# Altium PCB PCB.PcbDoc (part 3 of 7) (continued)
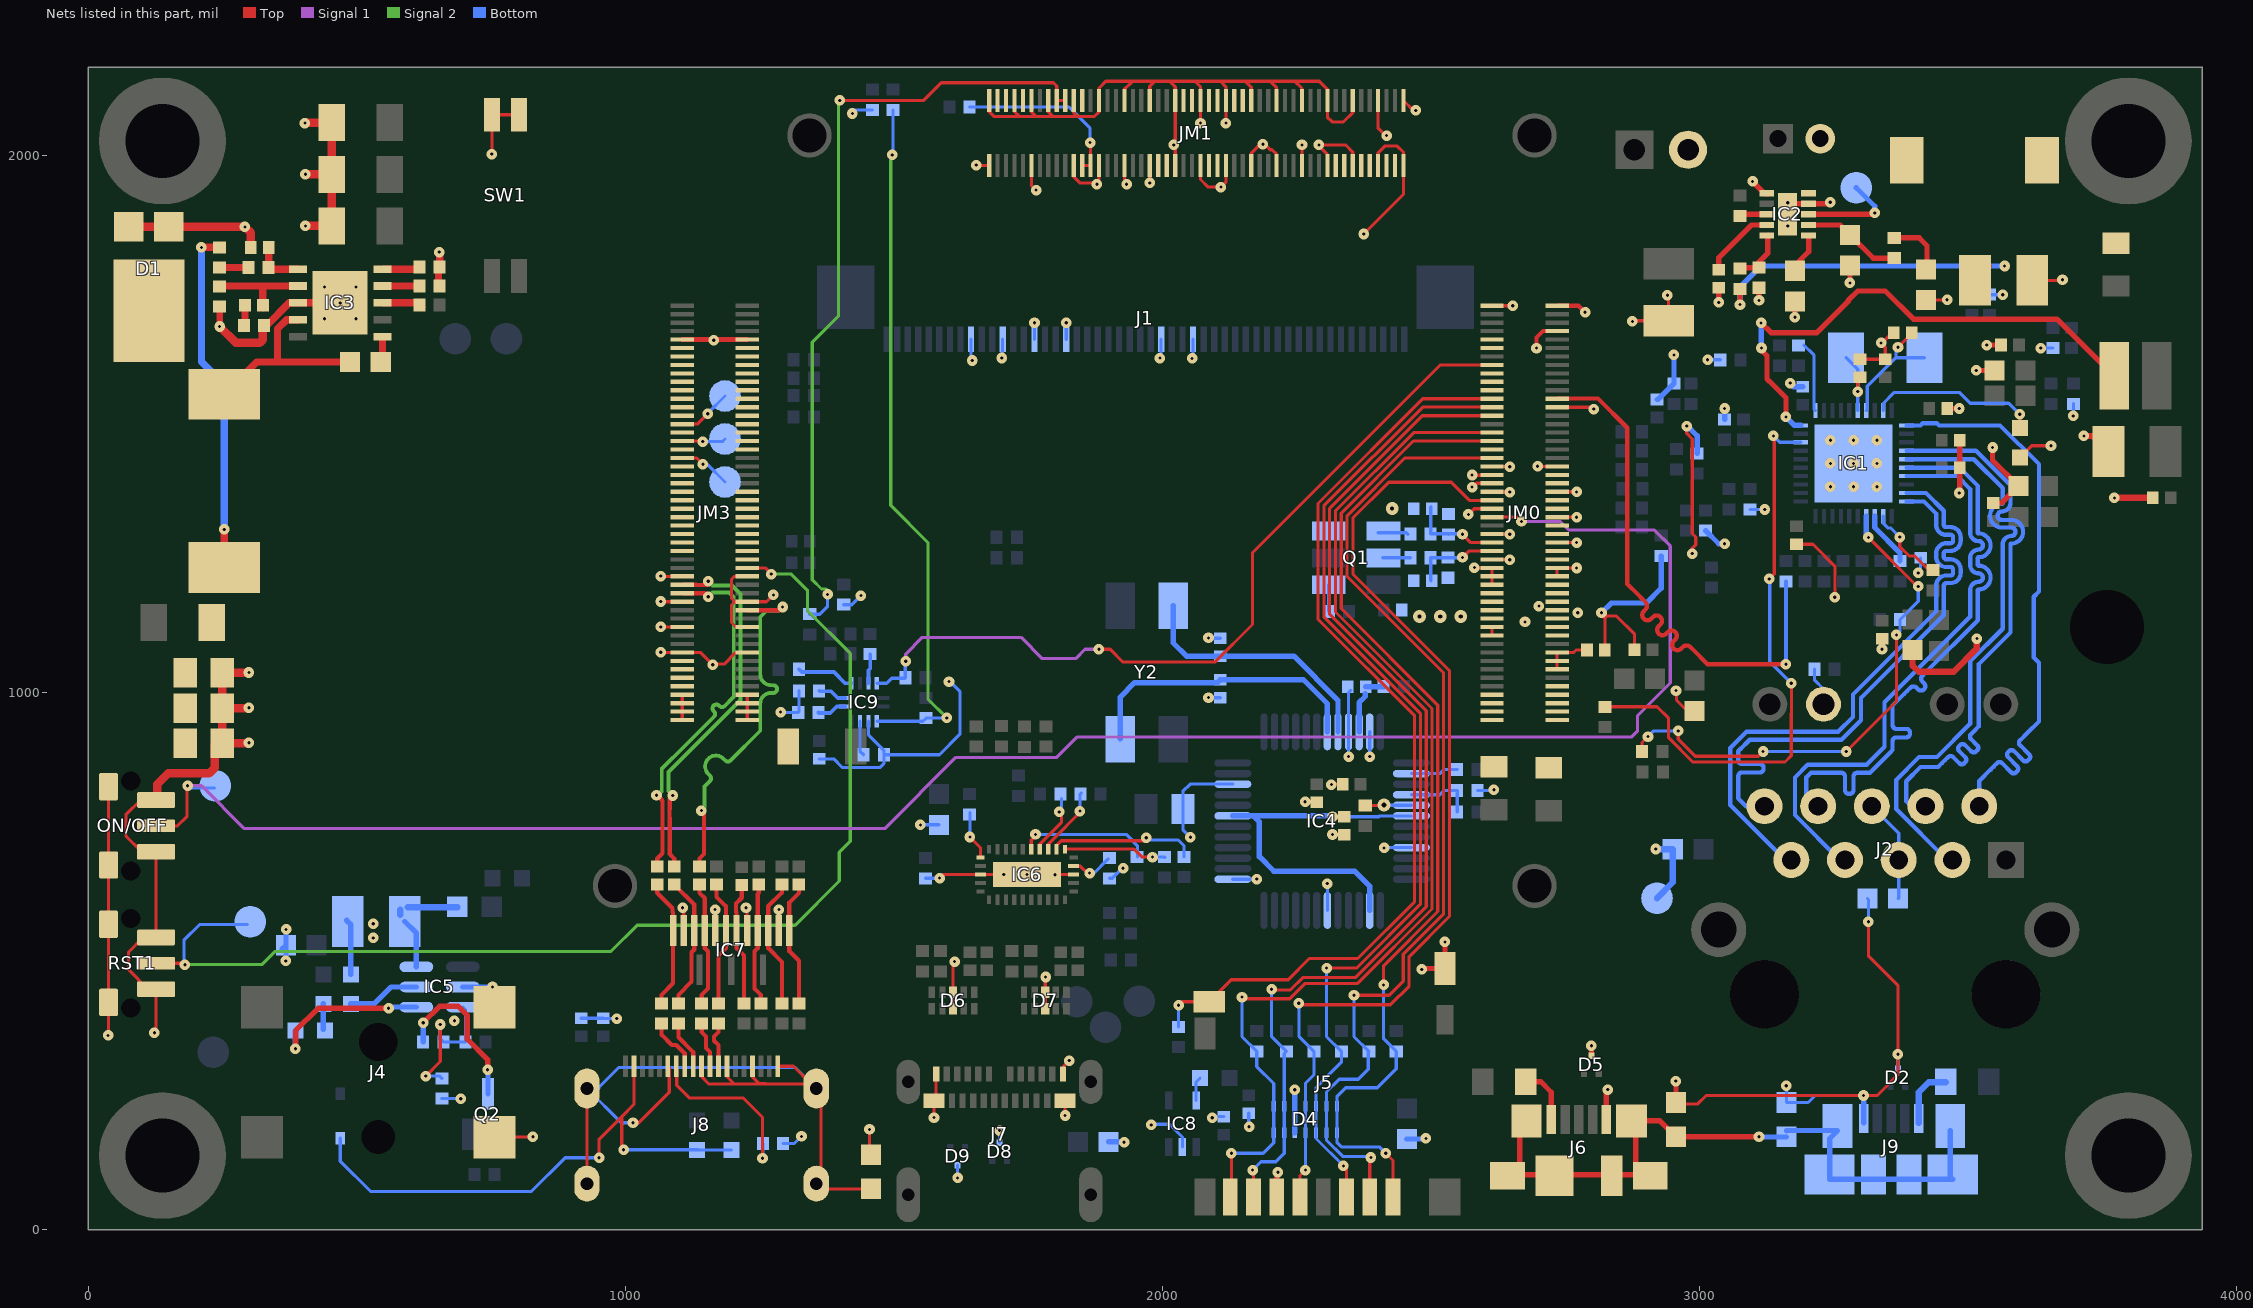
[diagram p7: the nets of this part, all layers, seen from the top]
## Nets (pads, with @x,y where several pads share a name; then routed paths per layer and width w, separated by ;. In a path a pad name is that pad's centre, name@x,y a point inside that pad or via, vN(x,y) a via of type N, cw(c..) or ccw(c..) an arc to the next point about the centre after c; other vN are vias at no path point) (continued)
  Bottom w11.81: v2(2919,709) 2919.48,708.52 C13.2@2950.66,708.52 2950.66,646.78 TP5.1@2921.33,617.45
  other v1: 122.77,366.8 681.58,388.98 298.88,906.79 298.88,972.14 298.88,1037.69 2675.51,1132 2773.88,1148.85 2701.49,1161.42 3244.16,1383.75 3287.47,1383.75 3330.77,1383.75 3244.16,1427.06 3287.47,1427.06 3330.77,1427.06 3244.16,1470.37 3287.47,1470.37 3330.77,1470.37 3338.65,1651.47 439.3,1696.5 498.36,1696.5 3565.26,1741.26 439.3,1755.55 498.36,1755.55 3164.79,1869.26 3164.79,1912.57 2260.16,2020.32 2118.51,2060.86
  other v2: 1697.06,184.39 530.26,543.26 530.26,569.57 2577,1405.5 1164.64,1656.58
  other v4: 2479,1142 2517.5,1142 2556,1142 2428,1343
GPIO6: JM3.49
GPIO7: JM3.45
GPIO8: JM3.47
GPIO12: JM3.51
HDMI_REFCLK_N: C83.2 JM0.60 R104.2 R106.2 | length 163.2
  Top w5.91: v2(2559.06,1251.97) 2570.87,1263.78 JM0.60@2602.36,1263.78 ; JM0.60@2602.36,1264.02 JM0.60@2614.1,1264.02
  Bottom w5.91: C83.2@2500.62,1208.66 2499.83,1209.45 R104.2@2499.83,1251.31 R106.2@2531.41,1251.31 ; R106.2@2532,1251.9 R106.2@2531.41,1251.31 ; v2(2559.06,1251.97) 2558.4,1251.31 R106.2@2531.41,1251.31
HDMI_REFCLK_P: C82.2 JM0.58 R103.2 R105.2 | length 173.1
  Top w5.91: v2(2559.06,1295.28) 2574.8,1279.53 JM0.58@2610.24,1279.53 ; JM0.58@2610.24,1279.76 JM0.58@2614.1,1279.76
  Bottom w5.91: C82.2@2500.62,1346.46 2499.83,1345.67 R103.2@2499.83,1295.93 R105.2@2532.17,1295.93 ; R105.2@2533,1295.1 R105.2@2532.17,1295.93 ; v2(2559.06,1295.28) 2558.4,1295.93 R105.2@2532.17,1295.93
JTAG_NTRST: JM3.55
JTAG_TCK: JM3.53
JTAG_TDI: JM3.61
JTAG_TDO: JM3.57
JTAG_TMS: JM3.59
M_TMDS_CLK_C_N: C64.2 IC7.12 R95.1 | length 242.5
  Top w7.87: C64.2@1059.33,642.8 1059.33,627.26 1087.87,598.72 1087.87,591.75 1088.86,590.77 IC7.12@1088.86,557.17 1088.86,458.91 1067.2,437.26 R95.1@1067.2,421.54
M_TMDS_CLK_C_P: C62.2 IC7.10 R94.1 | length 249
  Top w7.87: C62.2@1090.82,642.8 1128.23,605.4 IC7.10@1128.23,557.17 1128.23,521.47 1123.31,516.55 1123.31,461.87 1098.7,437.26 R94.1@1098.7,421.54
M_TMDS_D0_C_N: C63.2 IC7.9 R93.1 | length 232.7
  Top w7.87: C63.2@1138.07,642.8 1138.07,627.26 1147.91,617.42 IC7.9@1147.91,557.17 1147.91,524.26 1153.82,518.36 1153.82,449.07 1142.01,437.26 R93.1@1142.01,421.54
M_TMDS_D0_C_P: C60.2 IC7.7 R92.1 | length 234.3
  Top w7.87: C60.2@1169.56,642.8 1169.56,619.88 1187.28,602.17 IC7.7@1187.28,557.17 1187.28,524.26 1173.5,510.48 R92.1@1173.5,421.54
M_TMDS_D1_C_N: C61.2 IC7.6 R91.1 | length 231.6
  Top w7.87: C61.2@1216.81,641.82 1216.81,618.07 1205.98,607.24 1205.98,591.75 1206.97,590.77 IC7.6@1206.97,557.17 1206.97,524.26 1220.75,510.48 R91.1@1220.75,421.54
  Top w9.84: C61.2@1216.32,642.31 C61.2@1216.81,642.8
M_TMDS_D1_C_P: C59.2 IC7.4 R90.1 | length 230
  Top w7.87: 1240.43,448.46 1240.43,449.07 ; C59.2@1248.31,642.8 1248.31,627.26 1246.34,625.29 IC7.4@1246.34,557.17 1246.34,524.26 1240.43,518.36 1240.43,449.07 ; R90.1@1252.24,421.54 1252.24,437.26 1240.43,449.07
M_TMDS_D2_C_N: C58.2 IC7.3 R89.1 | length 242.9
  Top w7.87: R89.1@1291.61,421.54 1291.61,498.67 1266.02,524.26 IC7.3@1266.02,557.17 1266.02,602.47 1289.66,626.11 1290.46,626.11 1291.61,627.26 C58.2@1291.61,642.8
M_TMDS_D2_C_P: C57.2 IC7.1 R88.1 | length 235.9
  Top w7.87: R88.1@1323.11,421.54 1323.11,500.88 1305.39,518.59 IC7.1@1305.39,557.17 1305.39,609.54 1323.11,627.26 C57.2@1323.11,642.8
MIPI_DSI1_CLK_N: JM1.57
MIPI_DSI1_CLK_P: JM1.59
MIPI_DSI1_D0_N: JM1.45
MIPI_DSI1_D0_P: JM1.47
MIPI_DSI1_D1_N: JM1.52
MIPI_DSI1_D1_P: JM1.54
MIPI_DSI1_D2_N: JM1.40
MIPI_DSI1_D2_P: JM1.42
MIPI_DSI1_D3_N: JM1.46
MIPI_DSI1_D3_P: JM1.48
NAND_ALE: IC9.6 JM0.16 R126.1 | length 1547.8
  Top w5.91: v2(1882,1081) 1902.69,1081 1926.69,1057 2098,1057 2168,1127 2168,1261 2517.47,1610.47 JM0.16@2614.1,1610.47
  Signal 1 w5.91: v2(1522.02,1058.75) 1522.02,1072.02 1553,1103 1737,1103 1776.5,1063.5 1838.5,1063.5 1856,1081 v2(1882,1081)
  Bottom w5.91: IC9.6@1468.31,1017.71 1486.48,1017.71 1495.78,1027.01 1520.34,1027.01 R126.1@1521.3,1027.97 1521.3,1058.02 v2(1522.02,1058.75)
NAND_CLE: JM0.10
NAND_DATA02: JM0.12
NAND_DATA03: JM0.22
NAND_DATA06: JM0.20
NAND_DATA07: JM0.18
NetC8_2: C8.2 IC1.36 Y1.2 | length 135.6
  Top w5.91: v1(3295.34,1560.92) 3295.34,1583.56 C8.2@3299.28,1587.49
  Bottom w5.91: Y1.2@3273.69,1623.91 3295.34,1602.26 v1(3295.34,1560.92) IC1.36@3295.34,1525.49
NetC9_2: C9.2 IC1.37 Y1.1 | length 227.1
  Top w5.91: v1(3370.15,1643.59) 3388.85,1662.3 C9.2@3393.77,1662.3
  Bottom w5.91: IC1.37@3311.09,1525.49 3313.06,1527.45 3313.06,1570.76 3366.21,1623.91 ; v1(3370.15,1643.59) 3366.21,1639.65 3366.21,1623.91 ; Y1.1@3419.36,1623.91 3366.21,1623.91
NetC12_2: C12.2 J2.5 J2.6 | length 193.1
  Bottom w5.91: J2.6@3321.46,788.58 3371.46,738.58 J2.5@3371.46,688.58 3371.46,617.45 C12.2@3370.55,616.54
NetC25_2: C25.2 L6.2 R49.1 R52.2 | length 608.8
  Top w9.84: v1(3075.86,1722.91) R52.2@3075.86,1753.23 ; C25.2@3513.76,1768.04 C25.2@3540.48,1794.77 ; L6.2@3639.27,1974.36 L6.2@3644.9,1968.74
  Bottom w9.84: v1@3075.86,1731.77 3075.86,1755.4 3115.23,1794.77 v1(3568.65,1794.77)
NetC26_1: C26.1 IC3.1 | length 52
  Top w13.78: C26.1@544.8,1612.19 547.57,1614.96 IC3.1@547.57,1663.03
NetC26_2: C26.2 D1.C IC3.9 L7.1 | length 314.9
  Top w13.78: L7.1@288.96,1591.84 313.1,1615.97 352.08,1615.97 ; IC3.9@390.09,1694.53 368.99,1694.53 352.08,1677.61 352.08,1615.97 ; C26.2@487.25,1615.97 352.08,1615.97
NetC27_2: C27.2 IC3.4 | length 68.8
  Top w13.78: IC3.4@547.57,1757.52 C27.2@616.39,1757.52
NetC28_2: C28.2 IC2.4 | length 127
  Top w9.84: C28.2@3036.49,1797.72 3036.49,1810.51 3097.19,1871.22 IC2.4@3125.58,1871.22
NetC29_2: C29.2 IC2.6 | length 66.4
  Top w9.84: C29.2@3178.22,1795.75 3203.83,1821.36 IC2.6@3203.76,1851.54
NetC33_2: C33.2 IC2.7 R58.2 | length 183.4
  Top w9.84: IC2.7@3205.39,1871.03 3262.39,1871.03 C33.2@3280.58,1852.84 3324.09,1809.33 R58.2@3363.26,1809.33
NetC34_2: C34.2 R113.1 | length 41.7
  Top w13.78: C34.2@291.59,1679.88 R113.1@291.59,1721.62
NetC35_2: C35.2 R58.1 | length 112.2
  Top w9.84: R58.1@3363.26,1847.13 3409.71,1847.13 3424.34,1832.5 3424.34,1790.34 C35.2@3422.31,1788.31
NetC36_2: C36.2 IC3.7 R113.2 | length 188.9
  Top w13.78: C36.2@244.22,1754.62 247.12,1757.52 326.77,1757.52 ; R113.2@324.29,1716.69 324.29,1755.05 326.77,1757.52 ; IC3.7@390.09,1757.52 326.77,1757.52
NetC38_1: C38.1 IC4.46 R68.2 | length 109
  Bottom w10: IC4.46@2366.51,927.2 2366.51,981.51 2378,993 2378,998 ; C38.1@2378.73,1011 2411.86,1011 R68.2@2412.1,1011.25
NetC39_1: C39.1 IC4.6 IC4.14 IC4.31 | length 713.5
  Top w5.91: v2@2312,769 v2(2317,769) 2338.73,769 C39.1@2339,768.73
  Bottom w5.91: v2(2317,769) 2403.16,769 2404.85,770.69 IC4.6@2463.95,770.7
  Bottom w10: IC4.31@2131.27,770.7 2169.57,770.7 ; v2(2317,769) 2315.3,770.7 2169.57,770.7 ; 2358.31,667.71 2207.54,667.71 2180.66,694.59 2180.66,759.61 2169.57,770.7 ; 2359.68,666.33 2386.19,639.82 IC4.14@2386.19,594.52
NetC40_1: C40.1 IC5.6 L10.1 | length 196.2
  Bottom w9.84: C40.1@589.06,574.02 610.71,552.37 IC5.6@610.71,489.38
  Bottom w11.81: C40.1@580.5,586.53 C40.1@580.5,596.09 ; C40.1@594.37,600.69 594.46,600.6 L10.1@687.33,600.6
NetC75_2: C75.2 C76.2 C77.2 L7.2 R56.1 R59.2 | length 647.9
  Top w13.78: v1(210.44,1829.52) 244.16,1829.52 R59.2@244.23,1829.45 ; v1(252.79,1304.24) 253.01,1304.02 L7.2@253.01,1233.03
  Bottom w13.78: v1(210.44,1829.52) 210.44,1616.45 252.79,1574.09 v1(252.79,1304.24)
NetC78_2: C78.2 IC4.43 Y2.1 | length 548.2
  Bottom w10: Y2.1@1921.83,913.76 1921.83,992.09 1948.52,1018.77 2102.87,1018.77 C78.2@2108.09,1024 2108.48,1024.38 2262.51,1024.38 2307.45,979.44 IC4.43@2307.45,927.2
NetC79_2: C79.2 IC4.44 Y2.3 | length 478.7
  Bottom w10: Y2.3@2020.26,1161.79 2020.26,1093.05 2045.25,1068.06 C79.2@2108.09,1068.06 2244.94,1068.06 2327.14,985.86 IC4.44@2327.14,927.2
NetD10_C: D10.C J8.18 R118.2 R119.2 | length 1034.6
  Top w5.91: v2(951,134) 951,168.34 993.29,210.63 ; v2@993.29,148.88 993.29,210.63 ; J8.18@1016.02,304.22 1016.02,233.36 993.29,210.63
  Bottom w5.91: D10.C@468.98,170.28 468.98,127.53 525.5,71 825,71 888,134 v2(951,134) ; v2(996.64,148.88) 996.85,148.68 R118.2@1136.34,148.68 ; R118.2@1136.34,148.53 R119.2@1197.93,148.53
NetF1_2: F1.2 JM3.93 JM3.94 JM3.95 JM3.96 JM3.97 JM3.98 JM3.99 JM3.100 | length 94.5
  Top w5.91: JM3.100@1105.83,949.06 JM3.98@1105.83,964.8 JM3.96@1105.83,980.55 JM3.94@1105.83,996.3 ; JM3.99@1227.09,949.06 JM3.97@1227.09,964.8 JM3.95@1227.09,980.55 JM3.93@1227.09,996.3
NetIC1_12: IC1.12 R44.2 | length 152.1
  Top w5.91: v1(3373.51,1289.73) 3373.51,1272.1 3390.99,1254.62 3401.59,1254.62 3427.9,1228.31 R44.2@3435.11,1228.31
  Bottom w5.91: IC1.12@3342.59,1328.63 3342.59,1315.53 3351.13,1306.98 3356.26,1306.98 v1(3373.51,1289.73)
NetIC1_13: IC1.13 R39.1 | length 103
  Bottom w9.84: IC1.13@3326.84,1328.63 3326.84,1307.62 3374.08,1260.37 R39.1@3374.08,1245.17
NetIC1_14: IC1.14 R41.1 R45.1 | length 973.3
  Top w5.91: R45.1@2893.39,890.57 2893.39,907.2 v1(2904.59,918.4) ; v1(2960.99,928.98) 2960.99,913.13 2992.38,881.73 3110.06,881.73 v1(3118.9,890.57) ; v1(3273.76,890.57) 3367.36,984.17 3367.36,1107.67 v1(3367.26,1107.77) ; v1(3315.03,1289.26) 3406.37,1197.92 v1(3407.93,1197.92)
  Bottom w5.91: v1(2904.59,918.4) 2915.17,928.98 v1(2960.99,928.98) ; v1(3118.9,890.57) v1(3273.76,890.57) ; v1(3367.26,1107.77) 3374,1114.51 R41.1@3374,1136.15 3407.93,1170.08 v1(3407.93,1197.92)
  Bottom w9.84: IC1.14@3311.09,1328.63 3311.09,1293.2 v1(3315.03,1289.26)
NetIC1_28: IC1.28 R26.2 | length 1089
  Top w5.91: R26.2@2824.16,973.79 2921.41,973.79 2942.98,952.22 2942.98,915.82 2987.9,870.91 3159.82,870.91 3171.46,882.54 3171.46,961.32 3171.81,961.67 3171.81,1017.16 v1(3171.46,1017.52) ; v1(3130.51,1212.03) 3139.83,1221.35 3139.83,1476.56 v1(3138.14,1478.25)
  Bottom w5.91: v1@3131.46,1212.03 3131.46,1057.52 v1(3171.46,1017.52) ; v1(3138.14,1478.25) 3149.96,1466.43 IC1.28@3189.04,1466.43
NetIC1_30: IC1.30 L1.1 | length 996.3
  Top w9.84: v1(3115.23,1688.86) 3133.45,1670.64 3219.03,1670.64 3277.33,1728.95 3277.33,1730.33 3295.29,1748.29 3346.41,1748.29 3398.94,1695.75 3666.4,1695.75 3771.57,1590.59 L1.1@3773.11,1590.59 ; v1(3116,1642) 3116,1641.42 3114.24,1639.66 3126.33,1627.57 3126.33,1584.54 3138.14,1572.73 3161.48,1549.39 v1(3161.48,1513.67)
  Bottom w9.84: v1(3115.23,1688.86) 3115.23,1640.65 3116,1641.42 v1(3116,1642) ; v1(3161.48,1513.67) 3177.23,1497.93 IC1.30@3189.04,1497.93
NetIC1_31: IC1.31 R43.1 | length 131.2
  Bottom w5.91: R43.1@3194.96,1647.67 3213.51,1629.12 3213.51,1528.57 IC1.31@3216.6,1525.49
NetIC1_39: IC1.39 R37.1 | length 318.7
  Top w5.91: v1(3597.01,1518.52) 3597.17,1518.37 R37.1@3597.17,1493.05
  Bottom w5.91: IC1.39@3342.59,1525.49 3342.59,1538.59 3363.45,1559.46 3484.35,1559.46 3504.54,1539.27 3576.27,1539.27 v1(3597.01,1518.52)
NetIC2_3: IC2.3 R51.1 | length 52.8
  Top w9.84: R51.1@3075.86,1888.07 3078.7,1890.91 IC2.3@3125.81,1890.91 ; IC2.3@3125.81,1890.54 IC2.3@3127.44,1890.54
NetIC2_5: IC2.5 R52.1 R55.2 | length 96.4
  Top w9.84: R52.1@3075.86,1791.76 3101.24,1791.76 3127.44,1817.96 IC2.5@3127.44,1851.9
NetIC2_8: IC2.8 TP3.1 | length 183.5
  Top w9.84: IC2.8@3205.39,1890.91 3323.98,1890.91 v2(3326.77,1893.7)
  Bottom w9.84: TP3.1@3292.4,1940.43 3326.77,1906.06 v2(3326.77,1893.7)
NetIC2_10: IC2.10 L6.1 | length 30
  Top w9.84: L6.1@3366.11,1995.55 L6.1@3387.3,1974.36
NetIC3_5: IC3.5 R57.1 | length 71.2
  Top w13.78: IC3.5@547.57,1789.02 610.64,1789.02 R57.1@616.39,1794.77
NetIC3_6: IC3.6 R102.1 R114.2 | length 87.4
  Top w13.78: R102.1@335.48,1791.97 335.48,1826.04 R114.2@335.75,1826.32 ; R102.1@338.25,1791.74 340.97,1789.02 IC3.6@390.09,1789.02
NetIC4_2: IC4.2 R101.2 | length 88.2
  Bottom w5.91: IC4.2@2463.95,849.44 2517.05,849.44 2524.32,856.72 R101.2@2549.16,856.72
NetIC4_5: IC4.5 R100.2 | length 80.4
  Top w5.91: R100.2@2378,789.9 2412.1,789.9 2413,789 v3(2413,791)
  Bottom w5.91: v3@2420.87,790.38 IC4.5@2463.95,790.38
NetIC5_3: IC5.3 R71.1 R72.2 R116.2 | length 282
  Top w5.91: v1(628.09,285.88) 655.29,313.08 v1(655.29,382.15)
  Bottom w5.91: v1(628.09,285.88) 654.1,285.88 R116.2@658.09,281.89 ; v1(655.29,382.15) 655.29,355.43 R72.2@661.1,349.61 R71.1@702.05,349.61 702.05,409.85 IC5.3@697.32,414.58
NetIC5_4: IC5.4 LED1.K | length 310.7
  Top w9.84: v1(385.35,336.98) 385.82,337.45 385.82,370.59 427.45,412.22 v1(559.01,412.22)
  Bottom w9.84: v1(385.35,336.98) 385.35,370.12 LED1.K@385.82,370.59 ; v1(559.01,412.22) 561.37,414.58 IC5.4@610.71,414.58
NetIC5_5: IC5.5 R73.2 | length 135.1
  Bottom w9.84: R73.2@488.66,420.54 532.03,420.54 563.47,451.98 IC5.5@610.71,451.98
NetIC6_1: IC6.1 R77.2 | length 191.7
  Top w5.91: IC6.1@1818.9,708.66 1947.52,708.66 1962.43,693.75 v1(1981.68,693.75)
  Bottom w5.91: v1(1981.68,693.75) 2004.35,693.75 R77.2@2004.42,693.68
NetIC6_2: IC6.2 R76.2 | length 273.2
  Top w5.91: IC6.2@1803.15,708.66 1803.15,715.86 1811.7,724.41 v1@1969.96,724.41
  Bottom w5.91: v1@1969.68,725.65 2029.49,725.65 2040.55,714.6 R76.2@2040.55,694.36
  other v1: 1970,730
NetIC6_3: IC6.3 R81.2 | length 129.9
  Top w5.91: IC6.3@1787.4,708.66 1787.4,717.83 1795.95,726.38 1796.02,726.38 1846.54,776.9 v1(1846.54,779.53)
  Bottom w5.91: v1(1846.54,779.53) 1846.54,810.37 R81.2@1849.14,812.97
NetIC6_4: IC6.4 R82.2 | length 118.8
  Top w5.91: IC6.4@1771.65,708.66 1771.65,717.83 1791.03,737.2 1811.97,758.14 1811.97,778.1 1811.87,778 v1(1808,778)
  Bottom w5.91: v1(1808,778) 1811.87,778 1811.97,778.1 R82.2@1811.97,802.71
NetIC6_5: IC6.5 R75.1 | length 251.3
  Top w5.91: IC6.5@1755.91,708.66 1755.91,725.5 1764.63,734.23 1764.63,735.37 v1(1763.78,736.22)
  Bottom w5.91: v1(1763.78,736.22) 1932.49,736.22 1953.59,715.12 R75.1@1953.59,693.85
NetIC6_11: IC6.11 R78.1 | length 91.9
  Top w5.91: v1(1641.68,731.3) 1661.42,711.56 IC6.11@1661.42,692.91
  Bottom w5.91: v1(1641.68,731.3) R78.1@1641.68,776.67
NetIC6_29: IC6.29 R84.2 | length 75.5
  Top w5.91: IC6.29@1834.65,677.17 1847.22,677.17 v1@1860.03,664.35
  Bottom w5.91: v1@1866.02,662.47 1871.08,662.47 R84.2@1899.18,690.58
  other v1: 1864.49,664.12
NetIC8_5: IC8.5 R99.1 | length 44.6
  Bottom w5.91: IC8.5@2063,240.6 2063,275.02 R99.1@2070.19,282.21
NetIC9_1: IC9.1 R125.2 | length 54.9
  Bottom w7.09: R125.2@1359.78,963.22 1360.73,962.27 1381.57,962.27 1393.71,974.41 IC9.1@1409.25,974.41
NetIC9_2: IC9.2 R124.2 | length 53.8
  Bottom w7.09: R124.2@1360.97,1003.58 1361.87,1002.68 1382.84,1002.68 1395.36,990.16 IC9.2@1409.25,990.16
NetIC9_3: IC9.3 R122.1 | length 108.7
  Bottom w7.09: R122.1@1323.21,1043.79 1328.62,1038.38 1388.58,1038.38 1409.25,1017.71 IC9.3@1421.06,1017.71
NetIC9_5: IC9.5 R121.1 | length 55.7
  Bottom w7.09: IC9.5@1452.56,1017.71 1452.56,1041.42 1456.16,1045.02 1456.16,1071.53 R121.1@1455.92,1071.78
NetIC9_11: IC9.11 R127.2 | length 65.2
  Bottom w5.91: IC9.11@1436.81,946.85 1436.81,891.22 R127.2@1443.57,884.46
NetJ2_13: J2.13 R31.1 | length 72.1
  Bottom w5.91: R31.1@3214.38,1043.76 3214.38,1024.11 3231.46,1007.04 J2.13@3231.46,978.74
NetJ6_1: J6.1 L8.1 | length 104.1
  Top w9.84: L8.1@2677.17,275.59 2704.72,275.59 2724.41,255.91 J6.1@2724.41,207.2
NetJ8_13: J8.13 R120.2 | length 324.5
  Top w5.91: J8.13@1094.76,304.22 1095.54,303.44 1095.54,268.62 1118.72,245.44 1219.12,245.44 1255.4,209.16 v1(1255.4,133.05)
  Bottom w5.91: v1(1255.4,133.05) 1256.07,133.73 R120.2@1256.07,160.73
NetJ9_1: J9.1 L11.1 | length 115.3
  Bottom w11.81: J9.1@3408.71,198.64 3408.71,256.09 3427.2,274.58 L11.1@3458.95,274.58
NetJM0_91: JM0.91 JM0.93 JM0.95 JM0.97 JM0.99 R67.1
NetJM0_94: JM0.94 JM0.96 JM0.98 JM0.100 R48.1
NetJM1_75: JM1.75 JM1.77 R47.2 | length 326.6
  Top w5.91: JM1.77@1850.71,1981.73 JM1.75@1866.46,1981.73 1866.46,2023.7 v1(1865.54,2024.62)
  Bottom w5.91: R47.2@1641.06,2091.14 1825.55,2091.14 1865.54,2051.15 v1(1865.54,2024.62)
NetJM1_82: JM1.82 JM1.84 R97.1 | length 1493.2
  Top w5.91: v2(1399.38,2103.26) 1555.65,2103.26 1588.53,2136.14 1797.4,2136.14 1803.47,2130.08 JM1.84@1803.47,2102.99 JM1.82@1819.21,2102.99
  Signal 2 w5.91: v2(1376.73,1183.03) 1375.34,1184.42 1382.64,1184.42 1373.85,1193.21 1365.21,1193.21 1347.99,1210.42 1347.99,1653 1397.19,1702.2 1397.19,2101.08 v2(1399.38,2103.26)
  Bottom w5.91: R97.1@1343.45,1146.27 1361.86,1146.27 1376.73,1161.13 v2(1376.73,1183.03)
NetLED1_A: LED1.A R70.1 | length 47.3
  Bottom w9.84: R70.1@437.48,420.54 437.54,420.48 LED1.A@437.54,373.24
NetQ1_1: Q1.1 R131.1 | length 50.1
  Bottom w5.91: Q1.1@2309.82,1201 2310.1,1200.72 R131.1@2310.1,1151
NetQ1_4: Q1.4 R103.1 | length 56.3
  Bottom w5.91: Q1.4@2402.2,1298.03 2454.56,1298.03 R103.1@2457.32,1295.28
NetQ1_5: Q1.5 R104.1 | length 52.2
  Bottom w5.91: Q1.5@2410.07,1251.97 2410.73,1251.31 R104.1@2462.04,1251.31
NetQ2_3: Q2.3 R72.1 | length 300.2
  Top w10: v1(623.44,385.37) 654.48,416.41 687.95,416.41 705.75,398.61 705.75,354.59 743.32,317.02 v1(743.32,297.69)
  Bottom w10: R72.1@623.31,349.61 623.31,385.24 v1(623.44,385.37) ; v1(743.32,297.69) 744.09,296.93 Q2.3@744.09,252.68
NetR59_1: R59.1 R102.2 | length 53.5
  Top w13.78: R59.1@244.79,1790.38 246.39,1791.97 R102.2@297.68,1791.97
NVCC_ENET_2V5: C23.1 JM0.83 JM0.85 JM0.87 | length 89.2
  Top w5.91: JM0.87@2735.36,1043.54 JM0.85@2735.36,1059.29 JM0.83@2735.36,1075.04 2735.74,1074.66 2765.49,1074.66 2770.39,1079.56 C23.1@2790.89,1079.56
ONOFF: JM0.52 ON/OFF.2 TP2.1 | length 3698.2
  Top w5.91: ON/OFF.2@125.98,751.97 165.74,751.97 183.78,770.01 183.78,823.87 v1@184.72,824.8 ; JM0.52@2614.1,1327.01 2660.99,1327.01 v2(2669,1319)
  Signal 1 w5.91: v1(184.72,826.77) 210.67,826.77 290.44,747 1483,747 1615.62,879.62 1803.29,879.62 1840.99,917.32 2873.29,917.32 2885.23,929.26 2885.23,957.53 2945.86,1018.16 2945.86,1273.52 2916.38,1303 2757,1303 2741,1319 v2(2669,1319)
  Bottom w5.91: v1@189.2,822.29 TP2.1@234.65,822.29
OTG_ID: IC9.9 R123.1 R130.2 | length 1314
  Signal 2 w5.91: v2(1497.07,2001.63) 1494.12,1998.68 1494.12,1349.14 1563.62,1279.64 1563.62,987.99 v2(1598.55,953.06) ; v2@1598.55,952.97 1601.76,952.97 v2@1602.11,953.32
  Bottom w5.91: IC9.9@1468.31,946.85 1554.32,946.85 R123.1@1560.12,952.65 1598.13,952.65 v2(1598.55,953.06) ; v2(1497.07,2001.63) 1498.36,2002.92 R130.2@1498.36,2085.49
PCIE1_NRST: JM0.59
PCIE1_NWAKE: JM0.61
PCIE1_REF_CLK_N: JM0.55
PCIE1_REF_CLK_P: JM0.53
PCIE1_RX_N: JM0.49
PCIE1_RX_P: JM0.47
PCIE1_TX_N: JM0.41
PCIE1_TX_P: JM0.43
"PCIE2_NCLKREQ (I2C4_SDA)": JM1.78
PCIE2_REF_CLK_N: JM1.3
PCIE2_REF_CLK_P: JM1.5
PCIE2_RX_N: JM1.11
PCIE2_RX_P: JM1.9
PCIE2_TX_N: JM1.17
PCIE2_TX_P: JM1.15
PEN: IC3.3 R54.1 | length 76.8
  Top w13.78: IC3.3@547.57,1726.02 613.33,1726.02 R54.1@621.15,1718.21
POWER_ON_RESET: JM0.79
PWM1: JM3.88
PWM2: JM3.90
PWM3: JM3.92
PWM4: JM3.11
PWON_B: JM3.86
SAI1_MCLK: JM3.26
SAI1_RXC: JM3.17
SAI1_RXD0: JM3.33
SAI1_RXD1: JM3.35
SAI1_RXD2: JM3.27
SAI1_RXD3: JM3.31
SAI1_RXD4: JM3.29
SAI1_RXD5: JM3.21
SAI1_RXD6: JM3.25
SAI1_RXD7: JM3.23
SAI1_RXFS: JM3.19
SAI1_TXC: JM3.40
SAI1_TXD0: JM3.44
SAI1_TXD1: JM3.42
SAI1_TXD2: JM3.30 TP9.1 | length 101.9
  Top w5.91: JM3.30@1105.83,1500.24 1133.71,1500.24 1153.03,1519.56 v2(1153.31,1519.56)
  Bottom w5.91: v2(1153.31,1519.56) 1153.31,1520.4 TP9.1@1185.5,1552.59
SAI1_TXD3: JM3.36
SAI1_TXD4: JM3.38 TP10.1 | length 98.2
  Top w5.91: JM3.38@1105.83,1437.24 1132.62,1437.24 v2(1144.36,1425.51)
  Bottom w5.91: v2(1144.36,1425.51) 1152.47,1425.51 TP10.1@1185.5,1392.48
SAI1_TXD5: JM3.34 TP11.1 | length 80.7
  Top w5.91: JM3.34@1107.32,1468.35 1107.71,1468.75 1143.11,1468.75 v2(1144.08,1467.78)
  Bottom w5.91: v2(1144.08,1467.78) 1180.74,1467.78 TP11.1@1185.5,1472.54
SAI1_TXD6: JM3.28
SAI1_TXD7: JM3.32
SAI1_TXFS: JM3.46
SAI2_MCLK: JM3.12
SAI2_RXC: JM3.22
SAI2_RXD: JM3.20
SAI2_RXFS: JM3.24
SAI2_TXC: JM3.18
SAI2_TXD: JM3.14
SAI2_TXFS: JM3.16
SAI3_RXC: JM3.13
SAI3_RXFS: JM3.15
SAI5_MCLK: JM3.50
SAI5_RXC: JM3.56
SAI5_RXD0: JM3.58
SAI5_RXD1: JM3.48
SAI5_RXD2: JM3.54
SAI5_RXD3: JM3.52
SAI5_RXFS: JM3.60
SD2_NRST: JM0.36
SDIO_CD#: J5.9 JM0.24 R60.1 | length 1780.5
  Top w5.91: v1(2030.28,417.89) 2036.77,424.39 J5.9@2087.17,424.39 2128.37,465.59 2234.62,465.59 2273.95,504.92 2363.76,504.92 2469.81,610.97 2469.81,957.13 2290,1136.93 2290,1352.38 2485.1,1547.48 JM0.24@2614.1,1547.48
  Bottom w5.91: R60.1@2030.28,377.73 v1(2030.28,417.89)
SDIO_CLK: D4.11 J5.5 JM0.48 R63.1 | length 1882.5
  Top w5.91: v1(2254.05,421.54) 2256.82,418.78 2424.8,418.78 2459.65,453.62 2459.65,508.55 2534.77,583.67 2534.77,1041.23 2354.96,1221.04 2354.96,1325.47 2421.49,1392 2538,1392 2571.84,1358.16 2613.75,1358.16 JM0.48@2614.1,1358.5 ; J5.5@2256.46,60.65 2256.46,100.76 v1(2266.5,110.8)
  Bottom w5.91: v1@2254.69,421.54 2254.69,359.62 R63.1@2282.24,332.06 2282.24,287.97 2266.5,272.22 D4.11@2266.5,229.9 D4.11@2266.5,180.69 v1(2266.5,110.8)
SDIO_CMD: D4.12 J5.3 JM0.26 R64.1 | length 1910.9
  Top w5.91: v1(2305.87,487.2) 2361.75,487.2 2480.63,606.09 2480.63,961.61 2300.83,1141.42 2300.83,1347.89 2484.93,1532 JM0.26@2613,1532 ; v1(2337.36,118.68) 2343.07,112.97 J5.3@2343.07,60.65 ; JM0.26@2613,1531.73 JM0.26@2614.1,1531.73
  Bottom w5.91: v1(2305.87,487.2) 2305.87,359.62 R64.1@2333.43,332.06 2333.43,311.59 2286.18,264.35 D4.12@2286.18,229.9 D4.12@2286.18,180.69 2286.18,169.86 v1(2337.36,118.68)
SDIO_D0: D4.9 J5.7 JM0.28 R62.1 | length 1984.5
  Top w5.91: v1(2168.07,110.8) 2169.84,109.03 J5.7@2169.84,60.65 ; v1(2203.5,447.87) 2204.74,446.63 2238.78,446.63 2261.63,469.49 2359.34,469.49 2491.46,601.61 2491.46,966.1 2311.65,1145.9 2311.65,1343.41 2484.23,1515.98 JM0.28@2614.1,1515.98
  Bottom w5.91: v1(2168.07,110.8) 2183.82,126.55 2211.38,126.55 2227.13,142.3 D4.9@2227.13,180.69 D4.9@2227.13,229.9 2227.13,328.13 R62.1@2231.06,332.06 2203.5,359.62 v1(2203.5,447.87)
SDIO_D1: D4.8 J5.8 JM0.32 R61.1 | length 2057.5
  Top w5.91: J5.8@2126.54,60.65 2128.7,62.81 v1(2128.7,142.3) ; v1(2148.39,433.07) 2151.3,430.15 2237.61,430.15 2266.12,458.66 2363.83,458.66 2502.29,597.12 2502.29,970.58 2322.48,1150.39 2322.48,1338.92 2468.05,1484.49 JM0.32@2614.1,1484.49
  Bottom w5.91: v1(2128.7,142.3) 2187.76,142.3 2207.44,161.99 D4.8@2207.44,180.69 D4.8@2207.44,229.9 2207.44,272.22 2175.95,303.72 R61.1@2175.95,332.06 2148.39,359.62 v1(2148.39,433.07)
SDIO_D2: D4.14 J5.1 JM0.34 R66.1 | length 1901.2
  Top w5.91: v1(2412.17,455.94) 2412.17,491.69 2513.11,592.64 2513.11,976.98 2333.31,1156.78 2333.31,1334.44 2467.61,1468.74 JM0.34@2614.1,1468.74 ; v1(2416.1,142.3) 2429.69,128.72 J5.1@2429.69,60.65
  Bottom w5.91: v1(2412.17,455.94) 2412.17,355.69 R66.1@2435.79,332.06 2435.79,299.78 2400.35,264.35 2341.3,264.35 2325.55,248.6 D4.14@2325.55,229.9 D4.14@2325.55,180.69 2325.55,161.98 2333.43,154.11 2404.29,154.11 v1(2416.1,142.3)
SDIO_D3: D4.13 J5.2 JM0.38 R65.1 | length 1895.3
  Top w5.91: v1(2357.05,436.49) 2422.47,436.49 2448.82,462.84 2448.82,513.03 2523.94,588.15 2523.94,1036.75 2344.13,1216.55 2344.13,1329.95 2451.42,1437.24 JM0.38@2614.1,1437.24 ; J5.2@2386.38,60.65 2386.38,132.26 v1(2388.54,134.43)
  Bottom w5.91: v1(2357.05,436.49) 2357.05,359.62 R65.1@2384.61,332.06 2383.67,331.12 2383.67,298.84 2364.92,280.1 2329.49,280.1 2305.87,256.47 D4.13@2305.87,229.9 D4.13@2305.87,180.69 2305.87,166.36 2335.83,136.39 2386.58,136.39 v1(2388.54,134.43)
SHIELD: J6.S J9.S L9.1 L12.1 | length 1239.7
  Top w9.84: J6.S@2665.59,193.03 2665.59,107.05 2661.02,102.48 2742.62,102.48 J6.S@2881.89,102.48 ; J6.S@2875.59,193.03 J6.S@2881.89,186.73 ; J6.S@2890.16,102.48 2881.89,94.21 J6.S@2881.89,102.48 ; v1(3111.29,173.05) 2957.1,173.05 L9.1@2956.69,172.64 2926.64,202.69 2897.85,202.69 J6.S@2881.89,186.73 ; J6.S@2881.89,102.48 J6.S@2881.89,186.73
  Bottom w9.84: v1(3111.29,173.05) 3111.7,172.64 L12.1@3162.67,172.64 ; L12.1@3162.67,184.33 3162.81,184.47 3257.53,184.47 3242.96,169.9 3242.96,93.92 3472.1,93.92 3467.53,98.49 J9.S@3467.53,184.47
SHIELD_HDMI: J8.1 J8.4 J8.7 J8.10 J8.14 J8.Shell L13.1 | length 1602.8
  Top w5.91: J8.Shell@928.42,262.88 J8.Shell@928.42,85.72 928.42,80.16 J8.Shell@930.99,77.59 ; v1(1014.19,199.17) 1024.94,199.17 1081.62,255.85 1081.62,301.62 J8.14@1079.01,304.22 ; J8.10@1142.01,304.22 1142.01,284.62 1155.27,271.36 1202.51,271.36 ; J8.7@1189.25,304.22 1189.25,284.62 1202.51,271.36 ; J8.4@1236.49,304.22 1236.49,284.62 1249.48,271.64 1261.38,271.64 ; J8.1@1283.74,304.22 1313.05,304.22 J8.Shell@1346.2,271.07 ; J8.Shell@1355.59,262.88 1364.45,254.02 1364.45,94.58 J8.Shell@1355.59,85.72 1365.57,75.73 L13.1@1457.62,75.73 ; J8.Shell@1356.66,265.98 1351.57,271.07 1283.71,271.07 1283.43,271.36 1202.51,271.36
  Bottom w5.91: J8.Shell@950.48,262.88 J8.Shell@948.2,262.88 ; v1(1014.19,199.17) 992.14,199.17 J8.Shell@928.42,262.88 J8.Shell@948.2,262.88 ; J8.Shell@1355.59,262.88 1316.4,302.07 987.39,302.07 J8.Shell@948.2,262.88 ; J8.Shell@1360.9,92.67 J8.Shell@1364.45,96.21
SPDIF_EXT_CLK: JM1.92
SPDIF_RX: JM1.98
SPDIF_TX: JM1.96
SYS_RESET: JM3.63 RST1.2 TP1.1 | length 2223.7
  Top w5.91: RST1.2@125.98,496.06 176.8,496.06 v1(179.55,493.32) ; JM3.63@1227.09,1232.52 1260.25,1232.52 v2(1271.81,1220.96)
  Signal 2 w5.91: v1(179.55,493.32) 180.32,494.09 323.59,494.09 347.77,518.28 374.88,518.28 374.94,518.21 973.21,518.21 1022,567 1316,567 1398.27,649.27 1398.27,702.73 1418.92,723.39 1418.92,1073.16 1338.92,1153.16 1338.92,1190.8 1308.76,1220.96 v2(1271.81,1220.96)
  Bottom w5.91: v1@177.75,495.96 177.75,539.12 206.75,568.12 TP1.1@295.87,568.12
TMDS_CLK_C_N: J8.12 R95.2 | length 102.4
  Top w7.87: R95.2@1067.2,383.75 1067.2,363.13 1086.23,344.1 1094.67,344.1 1110.51,328.26 J8.12@1110.51,304.22
TMDS_CLK_C_P: J8.11 R94.2 | length 90.9
  Top w7.87: R94.2@1098.7,383.75 1098.7,358.28 1126.26,330.72 J8.11@1126.26,304.22
TMDS_CLK_N: C64.1 JM3.70 | length 695.5
  Top w7.87: v2(1058,809) 1059.35,809 1067.61,800.74 1067.61,800.02 1069.12,798.51 1069.12,701.05 1059.33,691.26 C64.1@1059.33,676.27 ; JM3.70@1105.83,1185.28 1148.01,1185.28 v2(1154.44,1178.84)
  Signal 2 w7.09: v2(1058,809) 1059.35,809 1059.73,808.62 1067.09,815.98 1067.09,817.42 1067.55,817.88 1067.55,858 1112.8,903.25 1164.93,955.38 ccw(c1159.92,960.39) 1164.93,965.4 1164.35,965.98 cw(c1169.36,970.99) 1164.35,976.01 cw(c1169.36,970.99) 1174.37,976.01 1174.95,975.43 ccw(c1179.96,980.44) 1184.97,975.43 1189.98,980.44 1194.99,985.45 1201.66,992.11 1201.66,1178.27 1193.28,1186.65 1162.26,1186.65 v2(1154.44,1178.84)
TMDS_CLK_P: C62.1 JM3.68 | length 695.5
  Top w7.87: v2(1088.35,808.62) 1082.5,802.76 1082.5,783.29 1082.25,783.05 1082.25,767.55 1082.5,767.3 1082.5,699.59 1090.82,691.26 C62.1@1090.82,676.27 ; JM3.68@1105.83,1201.02 1132.01,1201.02 1132.46,1200.57 v2@1152.89,1200.57
  Top w9.84: v2@1150.22,1203.24 v2(1154.44,1207.46)
  Signal 2 w7.09: v2(1088.35,808.62) 1080.54,816.43 1080.54,852.62 1214.65,986.73 1214.65,1183.65 1198.66,1199.65 1162.26,1199.65 v2(1154.44,1207.46)
TMDS_D0_C_N: J8.9 R93.2 | length 86.1
  Top w7.87: R93.2@1142.01,383.75 1142.01,368.26 1150.33,359.93 1150.33,338.26 1157.75,330.84 J8.9@1157.75,304.22
TMDS_D0_C_P: J8.8 R92.2 | length 86.4
  Top w7.87: J8.8@1173.5,304.22 1173.5,343.59 1165.17,351.92 1165.17,359.93 1173.5,368.26 R92.2@1173.5,383.75
TMDS_D0_N: C63.1 JM3.73 | length 712.3
  Top w7.87: C63.1@1138.07,676.27 1138.07,691.26 1146.4,699.59 1146.4,775.51 v1(1141.47,780.43) ; JM3.73@1227.09,1153.78 1286.83,1153.78 v1(1292.72,1159.67)
  Signal 2 w7.09: v1(1141.47,780.43) 1147.32,786.28 1147.32,825.37 1157.45,835.5 ccw(c1152.44,840.51) 1159.53,840.51 ccw(c1152.44,840.51) 1157.45,845.53 1154.39,848.59 cw(c1168.59,862.79) 1154.39,876.98 cw(c1168.59,862.79) 1182.79,876.98 1185.85,873.92 ccw(c1190.86,878.93) 1195.87,873.92 1251.23,929.28 1251.23,979.69 cw(c1271.31,979.69) 1271.31,999.77 1275.64,999.77 ccw(c1275.64,1006.85) 1282.73,1006.85 ccw(c1275.64,1006.85) 1275.64,1013.94 1271.31,1013.94 cw(c1271.31,1034.02) 1251.23,1034.02 1251.23,1141.02 1263.05,1152.83 1285.88,1152.83 v1(1292.72,1159.67)